# Altium PCB Spektrop2_PCB_Combined_CMV4000_V1.PcbDoc (part 2 of 6) (continued)
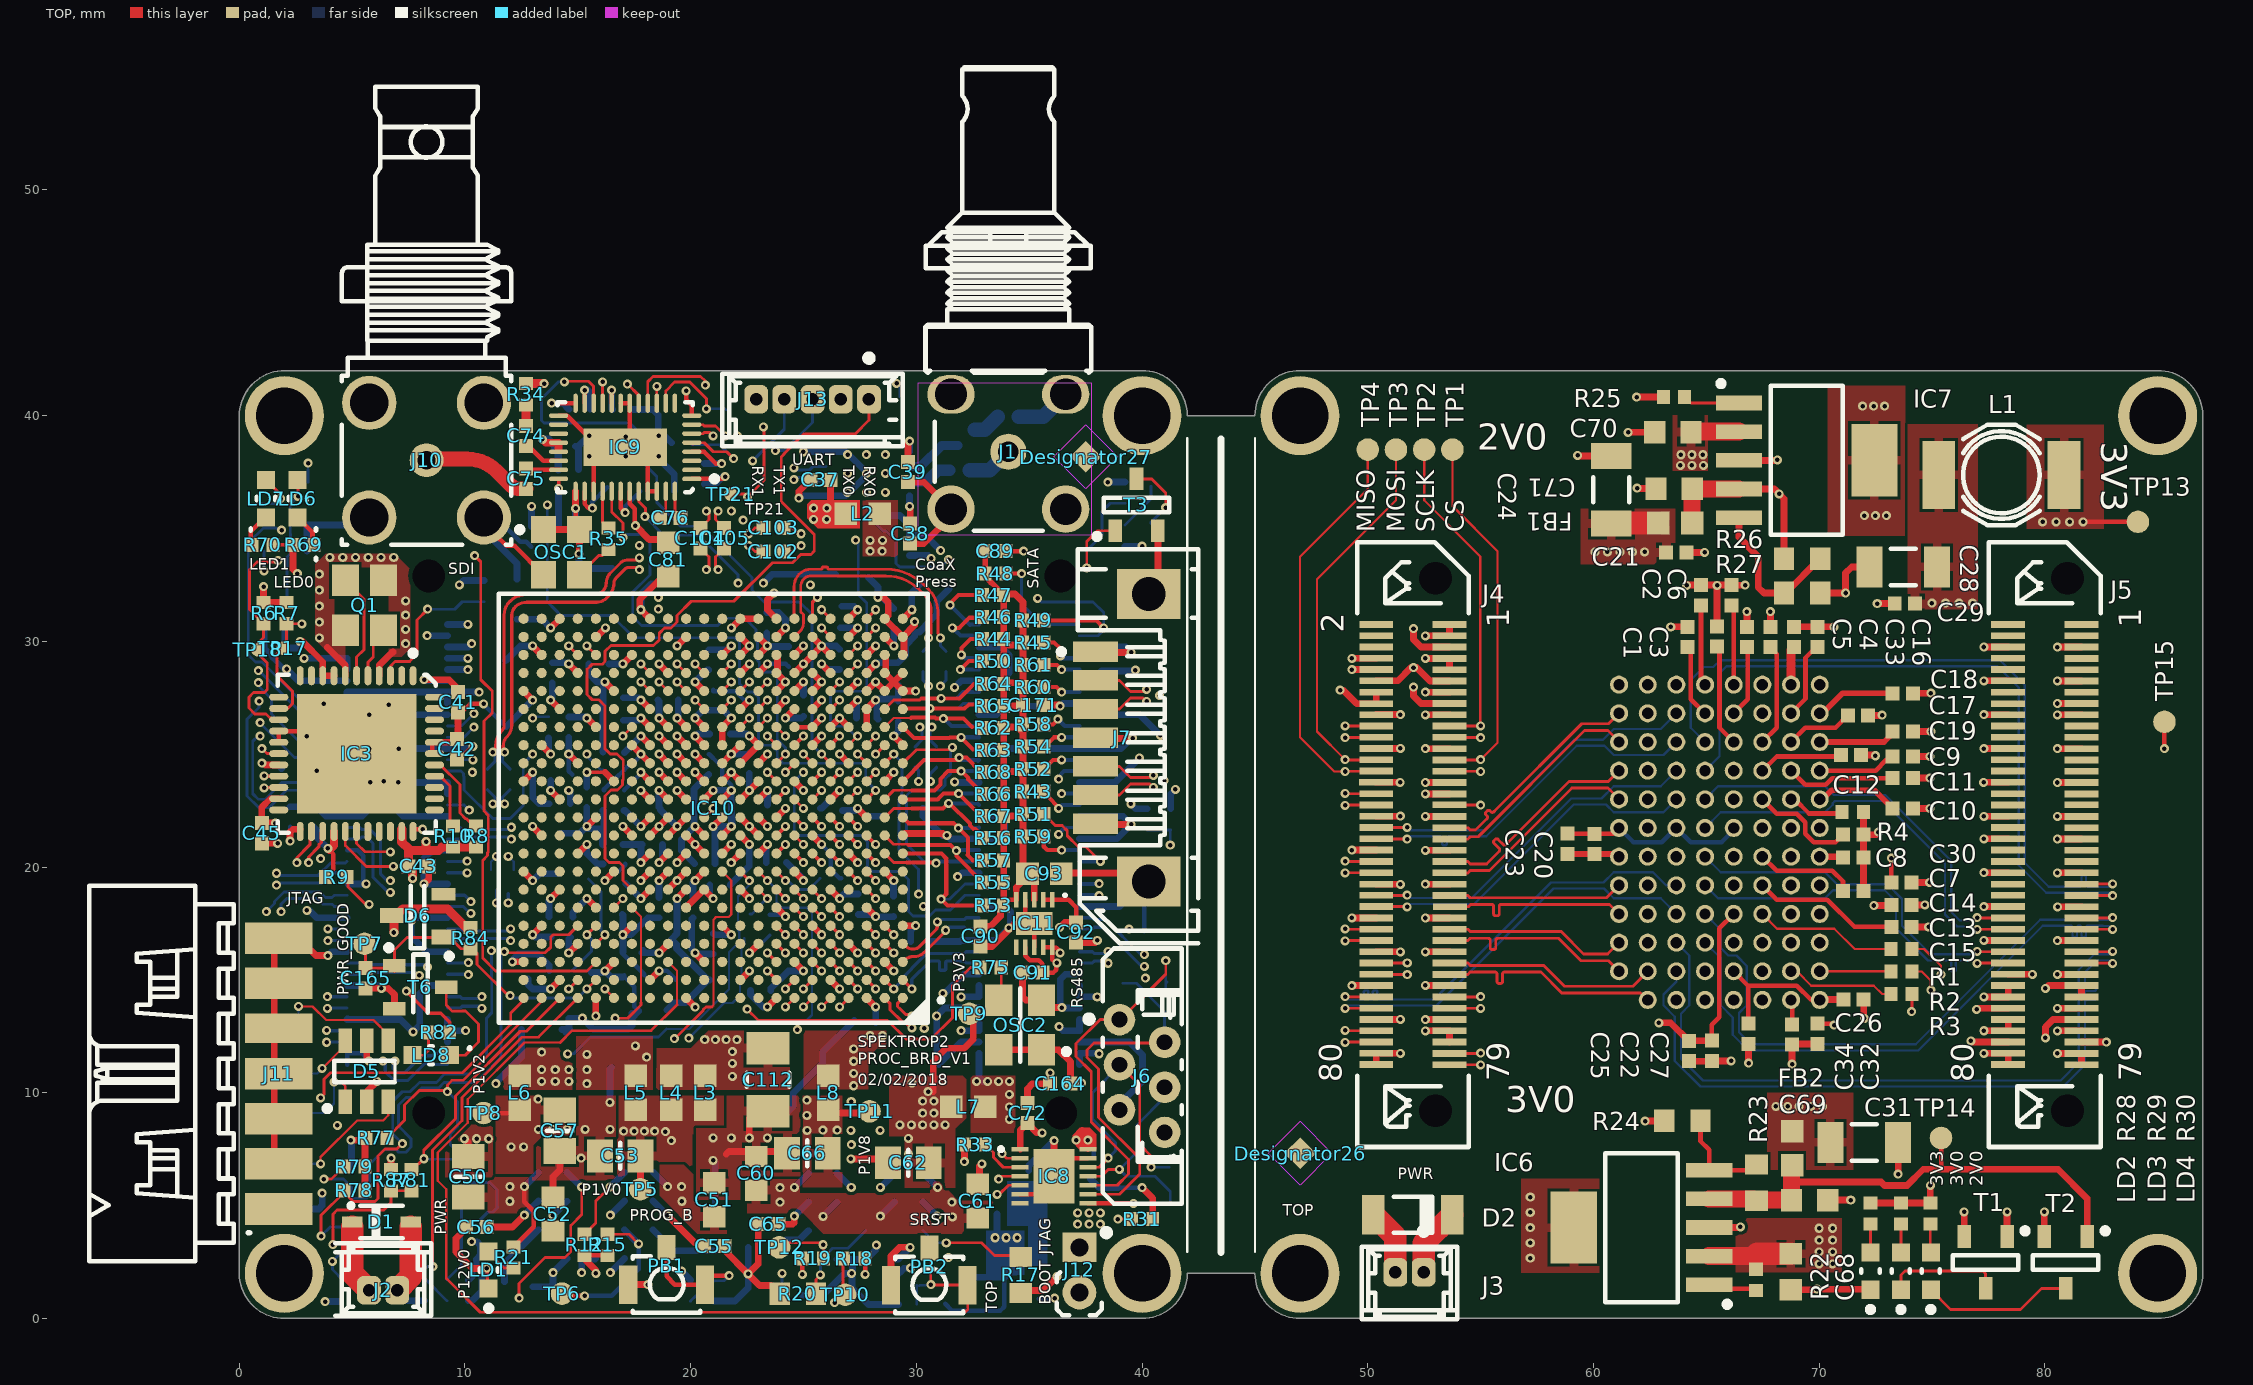
[diagram p0: TOP view]
## Part data (continued)
J6: library part MOLEX_52030-0629, "Connector 6 Female", Manufacturer=MOLEX, Manufacturer Part Number=52030-0629, Author="CERN DEM JLC", ComponentHeight=6.7mm, Component Type=Standard, CreateDate=05-Nov-14, Family=FFC/FPC, HelpURL=\\cern.ch\dfs\Applications\Altium\Datasheets\MOLEX_52030-0629.pdf, LatestRevisionDate=05-Dec-14, Mounted=Yes, Part Description="6 Contacts, 1.0mm Pitch, Vertical Through-Hole FFC/FPC Connector", Part Number=MOLEX_52030-0629, Pin Count=6, PressFit=No, Sense=No, SMD=No, Socket=No, Status=None
J7: library part 3M_5607-4200-SH, "7 Pin + 1 Shield SATA Receptacle", Manufacturer=3M, Manufacturer Part Number=5607-4200-SH, Author="CERN DEM JLC", ComponentHeight=4mm, Component Type=Standard, CreateDate=14-Feb-11, Family=SATA, HelpURL=\\cern.ch\dfs\Applications\Altium\Datasheets\3M_5607-4200-SH.pdf, LatestRevisionDate=31-May-11, Mounted=Yes, Part Description="Signal Plug, Surfacemount, Right Angle,  Serial Advanced Technology Attachment (SATA) Connector, 5607 Series", Part Number=3M_5607-4200-SH, Pin Count=8, PressFit=No, Sense=No, SMD=Yes, Socket=No, Status=None
J8 J9: library part SAMTEC_ERF5-040-05.0-L-DV-K, "Connector 80 Female", Manufacturer=SAMTEC, Manufacturer Part Number=ERF5-040-05.0-L-DV-K, Author="CERN DEM MR", ComponentHeight=4.91mm, Component Type=Standard, CreateDate=10-Mar-16, Family="Socket 80", HelpURL=\\cern.ch\dfs\Applications\Altium\Datasheets\SAMTEC_ERF5-040-05.0-L-DV-K.pdf, LatestRevisionDate=10-Mar-16, Mounted=Yes, Part Description="80 Contacts, Pitch 0.5mm, Edge Rate™ Rugged High Speed Straight Socket Strip", Part Number=SAMTEC_ERF5-040-05.0-L-DV-K, Pin Count=80, PressFit=No, Sense=No, SMD=Yes, Socket=No, Status=None
J10: library part AMPHENOL_34-1030-12G, Manufacturer=AMPHENOL-RF, Manufacturer Part Number=34-1030-12G, Author="CERN DEM JLC", ComponentHeight=8.5mm, Component Type=Standard, CreateDate=21-Feb-17, Family=HD-BNC, HelpURL=\\cern.ch\dfs\Applications\Altium\Datasheets\AMPHENOL_34-1030-12G.pdf, LatestRevisionDate=21-Feb-17, Mounted=Yes, Part Description="75 Ohms HD-BNC Right Angle PCB Receptacle (Jack)", Part Number=AMPHENOL_34-1030-12G, Pin Count=2, PressFit=No, Sense=No, SMD=No, Socket=No, Status=None
J11: library part MOLEX_87831-1420_h, "Connector 14 Male", Manufacturer=MOLEX, Manufacturer Part Number=87831-1420, Author="CERN DEM JLC", ComponentHeight=3.15mm, Component Type=Standard, CreateDate=13-Apr-10, Family=Milli-Grid™, HelpURL=\\cern.ch\dfs\Applications\Altium\Datasheets\MOLEX_87831-1420.pdf, LatestRevisionDate=13-Apr-10, Mounted=Yes, Part Description="2.00mm (.079\") Pitch Milli-Grid™ Header, Vertical, Shrouded, Center Polarization Slot, Locking Window, 14 Circuits (Customized PCB Edge assembly)", Part Number=MOLEX_87831-1420_h, Pin Count=14, PressFit=No, Sense=No, SMD=No, Socket=No, Status=None
J12: library part HARWIN_M22-2510205, "Connector 2 Male", Manufacturer=HARWIN, Manufacturer Part Number=M22-2510205, Author="CERN DEM JLC", ComponentHeight=5mm, Component Type=Standard, CreateDate=21-Jan-15, Family="Header 2", HelpURL=\\cern.ch\dfs\Applications\Altium\Datasheets\HARWIN_M22-2510205.pdf, LatestRevisionDate=14-Apr-15, Mounted=Yes, Part Description="2 Contacts - Pitch 2mm - Single Row Through Mount Straight Header (Post Lead = 3.5mm, Tail Lead 2.3mm, Insulator 1.5mm)", Part Number=HARWIN_M22-2510205, Pin Count=2, PressFit=No, Sense=No, SMD=No, Socket=No, Status=None
J13: library part MOLEX_53047-0510, "Connector 5 Male", Manufacturer=MOLEX, Manufacturer Part Number=53047-0510, Author="CERN DEM JLC", ComponentHeight=4.2mm, Component Type=Standard, CreateDate=12-Mar-13, Family=PicoBlade, HelpURL=\\cern.ch\dfs\Applications\Altium\Datasheets\MOLEX_53047-0510.pdf, LatestRevisionDate=12-Mar-13, Mounted=Yes, Part Description="1.25mm Pitch PicoBlade™ Wire-to-Board 5 Circuits Vertical Header with Friction Lock", Part Number=MOLEX_53047-0510, Pin Count=5, PressFit=No, Sense=No, SMD=No, Socket=No, Status=None
L1: library part IND_2.2UH_20%_BOURNS_SDR6603, "Inductor", Manufacturer=BOURNS, Manufacturer Part Number=SDR6603-2R2M, Power=2.4A, Resistance=0.007R, Tolerance=±20%, Author="CERN DEM JMW", ComponentHeight=2.92mm, Component Type=Standard, CreateDate=09-Jul-15, HelpURL=\\cern.ch\dfs\Applications\Altium\Datasheets\IND_BOURNS_SDR6603.pdf, LatestRevisionDate=09-Jul-15, Mounted=Yes, Part Description="SMD Power Inductor", Part Number=IND_2.2UH_20%_BOURNS_SDR6603, Pin Count=2, Sense=No, SMD=Yes, Socket=No, Status=None
LD1 LD2 LD3 LD4 LD5 LD6 LD7 LD8: library part LED_KINGBRIGHT_KPH-1608CGCK, "LED Green 1C 2A", Manufacturer=KINGBRIGHT, Manufacturer Part Number=KPH-1608CGCK, Author="CERN DEM JLC", Bonding=No, Color=Green, ComponentHeight=0.65mm, Component Type=Standard, CreateDate=03-Jul-17, HelpURL=\\cern.ch\dfs\Applications\Altium\Datasheets\LED_KINGBRIGHT_KPH-1608CGCK.pdf, LatestRevisionDate=03-Jul-17, Mounted=Yes, PackageDescription="SMT Green LED, Case 0603, Body L 1.6 x W 0.8mm H 0.65mm", Part Description="SMD Green LED, Case 1.6mmX0.8mm(0603), 0.65mm Thickness", Part Number=LED_KINGBRIGHT_KPH-1608CGCK, Pin Count=2, PressFit=No, Sense=No, SMD=Yes, Socket=No
OSC1: library part OSC_27MHZ_EPSON_SG-210SEB, "Oscillator 4 pins 1=\ST 2=GND 3=OUT 4=VCC", Manufacturer="EPSON TOYOCOM", Manufacturer Part Number="SG-210SEB C 27MHZ", Author="CERN DEM JLC", Bonding=No, ComponentHeight=0.9mm, ComponentLink1Description="Ordering Informations", ComponentLink1URL=\\cern.ch\dfs\Applications\Altium\Datasheets\OSC_EPSON_SG-210_Ordering-Informations.pdf, Component Type=Standard, CreateDate=05-Oct-09, HelpURL=\\cern.ch\dfs\Applications\Altium\Datasheets\OSC_EPSON_SG-210.pdf, LatestRevisionDate=05-Oct-09, Mounted=Yes, PackageDescription="Oscillator, corner concave; 4 pin, 2.50mm L X 2.00mm W X 0.90mm H, IPC Medium Density", Part Description="1.8V Surface Mount Crystal Oscillator With Standby Function (SG-210 Series)", Part Number=OSC_27MHZ_EPSON_SG-210SEB, Pin Count=4, PressFit=No, Sense=No, SMD=Yes, Socket=No
OSC2: library part OSC_33.33333MHZ_SI-TIME_SiT1602AC-23-18E, "Oscillator 4 pins 1=OE 2=GND 3=OUT 4=VDD", Manufacturer="SI TIME", Manufacturer Part Number=SiT1602AC-23-18E-33.33333, Author="CERN DEM JLC", Bonding=No, ComponentHeight=0.8mm, Component Type=Standard, CreateDate=08-Jul-14, HelpURL=\\cern.ch\dfs\Applications\Altium\Datasheets\OSC_SI-TIME_SiT1602.pdf, LatestRevisionDate=22-Oct-14, Mounted=Yes, PackageDescription="Si Time Oscillators, 4 Pin, Pitch 2.1mm, 3.2mm x 2.5mm x0.75mm", Part Description="1.8V, ±50ppm, 15pF, -20..70°C, 3.2x2.5mm Surface Mount LVCMOS/HCMOS Low Power Frequency Oscillator (SiT1602 Series)", Part Number=OSC_33.33333MHZ_SI-TIME_SiT1602AC-23-18E, Pin Count=4, PressFit=No, Sense=No, SMD=Yes, Socket=No
PB1 PB2: library part PB_OMRON_B3U-1100P, "Push-Button Switch SPDT", Manufacturer=OMRON, Author="CERN DEM JLC", ComponentHeight=1.75mm, Component Type=Standard, CreateDate=3/16/2010, Family="Push Button", HelpURL=\\cern.ch\dfs\Applications\Altium\Datasheets\PB_OMRON_B3U-1100P.pdf, LatestRevisionDate=3/16/2010, Manufacturer Part Number=PB_OMRON_B3U-1100P, Mounted=Yes, PackageDescription="Body 1.2x3x2.5mm Ultra-Small Tactile SPST Pushbutton Switch, (with Ground Terminal), OMRON B3U Series", Part Description="3x2.5mm Ultra-Small Tactile SPST Pushbutton Switch (with Ground Terminal),Contact Rating 50mA 12VDC, B3U Series", Part Number=PB_OMRON_B3U-1100P, Pin Count=3, PressFit=No, Sense=No, SMD=Yes, Socket=No, Status=None
Q1: library part XTAL_48MHZ_TXC_7M-48.000MAHV, "Crystal 4 pins 1=XTAL Control 2=GND3=XTAL 4=GND", Manufacturer="TXC CORPORATION", Manufacturer Part Number=7M-48.000MAHV, Author="CERN DEM MR", Bonding=No, ComponentHeight=0.8mm, Component Type=Standard, CreateDate=30-May-16, HelpURL=\\cern.ch\dfs\Applications\Altium\Datasheets\XTAL_TXC_7M.pdf, LatestRevisionDate=30-May-16, Mounted=Yes, PackageDescription="4 Pins, 2.5x3.2mm, SMD Sealing Crystal, 7M Serie", Part Description="±30ppm 8pF -40°C to +85°C  4 Pins, 3.2x2.5X0.8mm, SMD Sealing Crystal, 7M Series", Part Number=XTAL_48MHZ_TXC_7M-48.000MAHV, Pin Count=4, PressFit=No, Sense=No, SMD=Yes, Socket=No
R1 R2 R3 R35 R36 R75: library part R0402_22R_1%_0.0625W_100PPM, "Resistor - 1%", Case=0402, Manufacturer=GENERIC, Manufacturer1 ComponentHeight=0.4mm, Manufacturer1 Example="YAGEO PHYCOMP", Manufacturer1 Part Number=232270672209L, Power=0.0625W, Tolerance=±1%, Author="CERN DEM JLC", Component Type=Standard, HelpURL=\\cern.ch\dfs\Applications\Altium\Datasheets\R0402_Phycomp_RC0402.pdf, Manufacturer Part Number=R0402_22R_1%_0.0625W_100PPM, Mounted=Yes, Part Description="General Purpose Thick Film Chip Resistor", Part Number=R0402_22R_1%_0.0625W_100PPM, Pin Count=2, PressFit=No, Sense=No, SMD=Yes, Socket=No, Status="Not Recommended", TC=±100ppm/°C
  R1 R2 R3 R35: CreateDate=03-Dec-07, LatestRevisionDate=17-Oct-12
  R36 R75: CreateDate=12/3/2007, LatestRevisionDate=10/17/2012
R4 R38 R91: library part R0402_0R_JUMPER, "Resistor", Case=0402, Manufacturer=GENERIC, Manufacturer1 ComponentHeight=0.4mm, Manufacturer1 Example="YAGEO PHYCOMP", Manufacturer1 Part Number=232270591001L, Author="CERN DEM JLC", Component Type=Standard, CreateDate=03-Dec-07, HelpURL=\\cern.ch\dfs\Applications\Altium\Datasheets\R0402_Phycomp_RC0402.pdf, LatestRevisionDate=17-Oct-12, Manufacturer Part Number=R0402_0R_JUMPER, Mounted=Yes, Part Description="1A (0.05R Max DC Resistance) Zero Ohm Jumper", Part Number=R0402_0R_JUMPER, Pin Count=2, PressFit=No, Sense=No, SMD=Yes, Socket=No, Status="Not Recommended"
R5 R34: library part R0402_75R_1%_0.0625W_100PPM, "Resistor - 1%", Case=0402, Manufacturer=GENERIC, Manufacturer1 ComponentHeight=0.4mm, Manufacturer1 Example="YAGEO PHYCOMP", Manufacturer1 Part Number=232270677509L, Power=0.0625W, Tolerance=±1%, Author="CERN DEM JLC", Component Type=Standard, HelpURL=\\cern.ch\dfs\Applications\Altium\Datasheets\R0402_Phycomp_RC0402.pdf, Manufacturer Part Number=R0402_75R_1%_0.0625W_100PPM, Mounted=Yes, Part Description="General Purpose Thick Film Chip Resistor", Part Number=R0402_75R_1%_0.0625W_100PPM, Pin Count=2, PressFit=No, Sense=No, SMD=Yes, Socket=No, Status="Not Recommended", TC=±100ppm/°C
  R5: CreateDate=12/3/2007, LatestRevisionDate=10/17/2012
  R34: CreateDate=03-Dec-07, LatestRevisionDate=17-Oct-12
R6 R7 R8 R9 R10 R11 R31 R33 R37 R40 R76: library part R0402_4K7_1%_0.0625W_100PPM, "Resistor - 1%", Case=0402, Manufacturer=GENERIC, Manufacturer1 ComponentHeight=0.4mm, Manufacturer1 Example="YAGEO PHYCOMP", Manufacturer1 Part Number=232270674702L, Power=0.0625W, Tolerance=±1%, Author="CERN DEM JLC", Component Type=Standard, HelpURL=\\cern.ch\dfs\Applications\Altium\Datasheets\R0402_Phycomp_RC0402.pdf, Manufacturer Part Number=R0402_4K7_1%_0.0625W_100PPM, Mounted=Yes, Part Description="General Purpose Thick Film Chip Resistor", Part Number=R0402_4K7_1%_0.0625W_100PPM, Pin Count=2, PressFit=No, Sense=No, SMD=Yes, Socket=No, Status="Not Recommended", TC=±100ppm/°C
  R6 R7 R8 R9 R10 R11 R37 R40 R76: CreateDate=12/3/2007, LatestRevisionDate=10/17/2012
  R31 R33: CreateDate=03-Dec-07, LatestRevisionDate=17-Oct-12
R12 R15 R18 R19 R22 R25 R83: library part R0402_10K_1%_0.0625W_100PPM, "Resistor - 1%", Case=0402, Manufacturer=GENERIC, Manufacturer1 ComponentHeight=0.4mm, Manufacturer1 Example="YAGEO PHYCOMP", Manufacturer1 Part Number=232270671003L, Power=0.0625W, Tolerance=±1%, Author="CERN DEM JLC", Component Type=Standard, HelpURL=\\cern.ch\dfs\Applications\Altium\Datasheets\R0402_Phycomp_RC0402.pdf, Manufacturer Part Number=R0402_10K_1%_0.0625W_100PPM, Mounted=Yes, Part Description="General Purpose Thick Film Chip Resistor", Part Number=R0402_10K_1%_0.0625W_100PPM, Pin Count=2, PressFit=No, Sense=No, SMD=Yes, Socket=No, Status="Not Recommended", TC=±100ppm/°C
  R12 R15 R18 R19 R22 R25: CreateDate=03-Dec-07, LatestRevisionDate=17-Oct-12
  R83: CreateDate=12/3/2007, LatestRevisionDate=10/17/2012
R13: library part R0603_60K4_0.1%_0.063W_10PPM, "Resistor - 0.1%", Case=0603, Manufacturer=GENERIC, Manufacturer1 ComponentHeight=0.5mm, Manufacturer1 Example="TYCO HOLSWORTHY", Manufacturer1 Part Number=RN73C1J60K4BTDF, Power=0.063W, Tolerance=±0.1%, Author="CERN DEM JLC", Component Type=Standard, CreateDate=03-Dec-07, HelpURL=\\cern.ch\dfs\Applications\Altium\Datasheets\R0603_Tyco_RN73.pdf, LatestRevisionDate=13-Mar-08, Manufacturer Part Number=R0603_60K4_0.1%_0.063W_10PPM, Mounted=Yes, Part Description="Thin Film Chip Resistor", Part Number=R0603_60K4_0.1%_0.063W_10PPM, Pin Count=2, PressFit=No, Sense=No, SMD=Yes, Socket=No, Status="Not Recommended", TC=±10ppm
R14: library part R0603_90K9_0.1%_0.063W_10PPM, "Resistor - 0.1%", Case=0603, Manufacturer=GENERIC, Manufacturer1 ComponentHeight=0.5mm, Manufacturer1 Example="TYCO HOLSWORTHY", Manufacturer1 Part Number=RN73C1J90K9BTDF, Power=0.063W, Tolerance=±0.1%, Author="CERN DEM JLC", Component Type=Standard, CreateDate=03-Dec-07, HelpURL=\\cern.ch\dfs\Applications\Altium\Datasheets\R0603_Tyco_RN73.pdf, LatestRevisionDate=13-Mar-08, Manufacturer Part Number=R0603_90K9_0.1%_0.063W_10PPM, Mounted=Yes, Part Description="Thin Film Chip Resistor", Part Number=R0603_90K9_0.1%_0.063W_10PPM, Pin Count=2, PressFit=No, Sense=No, SMD=Yes, Socket=No, Status="Not Recommended", TC=±10ppm
R16: library part R0603_30K1_0.1%_0.063W_10PPM, "Resistor - 0.1%", Case=0603, Manufacturer=GENERIC, Manufacturer1 ComponentHeight=0.5mm, Manufacturer1 Example="TYCO HOLSWORTHY", Manufacturer1 Part Number=RN73C1J30K1BTDF, Power=0.063W, Tolerance=±0.1%, Author="CERN DEM JLC", Component Type=Standard, CreateDate=03-Dec-07, HelpURL=\\cern.ch\dfs\Applications\Altium\Datasheets\R0603_Tyco_RN73.pdf, LatestRevisionDate=13-Mar-08, Manufacturer Part Number=R0603_30K1_0.1%_0.063W_10PPM, Mounted=Yes, Part Description="Thin Film Chip Resistor", Part Number=R0603_30K1_0.1%_0.063W_10PPM, Pin Count=2, PressFit=No, Sense=No, SMD=Yes, Socket=No, Status="Not Recommended", TC=±10ppm
R17: library part R0603_13K3_0.1%_0.063W_10PPM, "Resistor - 0.1%", Case=0603, Manufacturer=GENERIC, Manufacturer1 ComponentHeight=0.5mm, Manufacturer1 Example="TYCO HOLSWORTHY", Manufacturer1 Part Number=RN73C1J13K3BTDF, Power=0.063W, Tolerance=±0.1%, Author="CERN DEM JLC", Component Type=Standard, CreateDate=03-Dec-07, HelpURL=\\cern.ch\dfs\Applications\Altium\Datasheets\R0603_Tyco_RN73.pdf, LatestRevisionDate=13-Mar-08, Manufacturer Part Number=R0603_13K3_0.1%_0.063W_10PPM, Mounted=Yes, Part Description="Thin Film Chip Resistor", Part Number=R0603_13K3_0.1%_0.063W_10PPM, Pin Count=2, PressFit=No, Sense=No, SMD=Yes, Socket=No, Status="Not Recommended", TC=±10ppm
R20: library part R0603_324K_1%_0.1W_100PPM, "Resistor - 1%", Case=0603, Manufacturer=GENERIC, Manufacturer1 ComponentHeight=0.55mm, Manufacturer1 Example=VISHAY, Manufacturer1 Part Number=CRCW0603324KFKEA, Power=0.1W, Tolerance=±1%, Author="CERN DEM JLC", Component Type=Standard, CreateDate=29-Apr-10, HelpURL="\\cern.ch\dfs\Applications\Altium\Datasheets\R0603_VISHAY_CRCW e3.pdf", LatestRevisionDate=11-Dec-13, Manufacturer Part Number=R0603_324K_1%_0.1W_100PPM, Mounted=Yes, Part Description="General Purpose Thick Film Chip Resistor", Part Number=R0603_324K_1%_0.1W_100PPM, Pin Count=2, PressFit=No, Sense=No, SMD=Yes, Socket=No, Status=Preferred, TC=±100ppm/°C
R21 R29 R30: library part R0402_10k_1%_0.0625W_100PPM, "Resistor - 1%", Case=0402, Manufacturer=GENERIC, Manufacturer1 ComponentHeight=0.4mm, Manufacturer1 Example="YAGEO PHYCOMP", Manufacturer1 Part Number=232270671003L, Manufacturer Part Number=R0402_10K_1%_0.0625W_100PPM, Power=0.0625W, Tolerance=±1%, Author="CERN DEM JLC", Component Type=Standard, CreateDate=03.12.2007, HelpURL=\\cern.ch\dfs\Applications\Altium\Datasheets\R0402_Phycomp_RC0402.pdf, LatestRevisionDate=17.10.2012, Mounted=Yes, Part Description="General Purpose Thick Film Chip Resistor", Part Number=R0402_10K_1%_0.0625W_100PPM, Pin Count=2, PressFit=No, Sense=No, SMD=Yes, Socket=No, Status="Not Recommended", TC=±100ppm/°C
R23: library part R0603_4K3_1%_0.1W_100PPM, "Resistor - 1%", Case=0603, Manufacturer=GENERIC, Manufacturer1 ComponentHeight=0.55mm, Manufacturer1 Example="NIC COMPONENT", Manufacturer1 Part Number=NRC06F4301TRF, Power=0.1W, Tolerance=±1%, Author="CERN DEM JLC", Component Type=Standard, CreateDate=03-Dec-07, HelpURL=\\cern.ch\dfs\Applications\Altium\Datasheets\R0603_NIC_NRC.pdf, LatestRevisionDate=13-Mar-08, Manufacturer Part Number=R0603_4K3_1%_0.1W_100PPM, Mounted=Yes, Part Description="General Purpose Thick Film Chip Resistor", Part Number=R0603_4K3_1%_0.1W_100PPM, Pin Count=2, PressFit=No, Sense=No, SMD=Yes, Socket=No, Status=Preferred, TC=±100ppm/°C
R24: library part R0603_680R_1%_0.1W_100PPM, "Resistor - 1%", Case=0603, Manufacturer=GENERIC, Manufacturer1 ComponentHeight=0.55mm, Manufacturer1 Example="NIC COMPONENT", Manufacturer1 Part Number=NRC06F6800TRF, Power=0.1W, Tolerance=±1%, Author="CERN DEM JLC", Component Type=Standard, CreateDate=03-Dec-07, HelpURL=\\cern.ch\dfs\Applications\Altium\Datasheets\R0603_NIC_NRC.pdf, LatestRevisionDate=13-Mar-08, Manufacturer Part Number=R0603_680R_1%_0.1W_100PPM, Mounted=Yes, Part Description="General Purpose Thick Film Chip Resistor", Part Number=R0603_680R_1%_0.1W_100PPM, Pin Count=2, PressFit=No, Sense=No, SMD=Yes, Socket=No, Status=Preferred, TC=±100ppm/°C
R26: library part R0603_6K2_1%_0.1W_100PPM, "Resistor - 1%", Case=0603, Manufacturer=GENERIC, Manufacturer1 ComponentHeight=0.55mm, Manufacturer1 Example="NIC COMPONENT", Manufacturer1 Part Number=NRC06F6201TRF, Power=0.1W, Tolerance=±1%, Author="CERN DEM JLC", Component Type=Standard, CreateDate=03-Dec-07, HelpURL=\\cern.ch\dfs\Applications\Altium\Datasheets\R0603_NIC_NRC.pdf, LatestRevisionDate=13-Mar-08, Manufacturer Part Number=R0603_6K2_1%_0.1W_100PPM, Mounted=Yes, Part Description="General Purpose Thick Film Chip Resistor", Part Number=R0603_6K2_1%_0.1W_100PPM, Pin Count=2, PressFit=No, Sense=No, SMD=Yes, Socket=No, Status=Preferred, TC=±100ppm/°C
R27: library part R0603_1K6_1%_0.1W_100PPM, "Resistor - 1%", Case=0603, Manufacturer=GENERIC, Manufacturer1 ComponentHeight=0.55mm, Manufacturer1 Example="NIC COMPONENT", Manufacturer1 Part Number=NRC06F1601TRF, Power=0.1W, Tolerance=±1%, Author="CERN DEM JLC", Component Type=Standard, CreateDate=03-Dec-07, HelpURL=\\cern.ch\dfs\Applications\Altium\Datasheets\R0603_NIC_NRC.pdf, LatestRevisionDate=13-Mar-08, Manufacturer Part Number=R0603_1K6_1%_0.1W_100PPM, Mounted=Yes, Part Description="General Purpose Thick Film Chip Resistor", Part Number=R0603_1K6_1%_0.1W_100PPM, Pin Count=2, PressFit=No, Sense=No, SMD=Yes, Socket=No, Status=Preferred, TC=±100ppm/°C
R28 R39 R69 R70 R82: library part R0402_1k_1%_0.0625W_100PPM, "Resistor - 1%", Case=0402, Manufacturer=GENERIC, Manufacturer1 ComponentHeight=0.4mm, Manufacturer1 Example="YAGEO PHYCOMP", Manufacturer1 Part Number=232270671002L, Manufacturer Part Number=R0402_1K_1%_0.0625W_100PPM, Power=0.0625W, Tolerance=±1%, Author="CERN DEM JLC", Component Type=Standard, CreateDate=03.12.2007, HelpURL=\\cern.ch\dfs\Applications\Altium\Datasheets\R0402_Phycomp_RC0402.pdf, LatestRevisionDate=17.10.2012, Mounted=Yes, Part Description="General Purpose Thick Film Chip Resistor", Part Number=R0402_1K_1%_0.0625W_100PPM, Pin Count=2, PressFit=No, Sense=No, SMD=Yes, Socket=No, Status="Not Recommended", TC=±100ppm/°C
  R39: ClassName=Artix
R32 R42 R71 R74: library part R0402_100R_1%_0.0625W_100PPM, "Resistor - 1%", Case=0402, Manufacturer=GENERIC, Manufacturer1 ComponentHeight=0.4mm, Manufacturer1 Example="YAGEO PHYCOMP", Manufacturer1 Part Number=232270671001L, Power=0.0625W, Tolerance=±1%, Author="CERN DEM JLC", Component Type=Standard, CreateDate=03-Dec-07, HelpURL=\\cern.ch\dfs\Applications\Altium\Datasheets\R0402_Phycomp_RC0402.pdf, LatestRevisionDate=17-Oct-12, Manufacturer Part Number=R0402_100R_1%_0.0625W_100PPM, Mounted=Yes, Part Description="General Purpose Thick Film Chip Resistor", Part Number=R0402_100R_1%_0.0625W_100PPM, Pin Count=2, PressFit=No, Sense=No, SMD=Yes, Socket=No, Status="Not Recommended", TC=±100ppm/°C
R41: library part R0402_330R_1%_0.0625W_100PPM, "Resistor - 1%", Case=0402, Manufacturer=GENERIC, Manufacturer1 ComponentHeight=0.4mm, Manufacturer1 Example="YAGEO PHYCOMP", Manufacturer1 Part Number=232270673301L, Power=0.0625W, Tolerance=±1%, Author="CERN DEM JLC", Component Type=Standard, CreateDate=03-Dec-07, HelpURL=\\cern.ch\dfs\Applications\Altium\Datasheets\R0402_Phycomp_RC0402.pdf, LatestRevisionDate=17-Oct-12, Manufacturer Part Number=R0402_330R_1%_0.0625W_100PPM, Mounted=Yes, Part Description="General Purpose Thick Film Chip Resistor", Part Number=R0402_330R_1%_0.0625W_100PPM, Pin Count=2, PressFit=No, Sense=No, SMD=Yes, Socket=No, Status="Not Recommended", TC=±100ppm/°C
R43 R44 R45 R46 R47 R48 R49 R50 R51 R52 R53 R54 R55 R56 R57 R58 R59 R60 R61 R62 R63 R64 R65 R66 R67 R68: library part R0402_49R9_1%_0.0625W_100PPM, "Resistor - 1%", Case=0402, Manufacturer=GENERIC, Manufacturer1 ComponentHeight=0.4mm, Manufacturer1 Example="YAGEO PHYCOMP", Manufacturer1 Part Number="232270674999L or RC0402FR-0749R9L", Power=0.0625W, Tolerance=±1%, Author="CERN DEM JLC", Component Type=Standard, CreateDate=24-Oct-12, HelpURL=\\cern.ch\dfs\Applications\Altium\Datasheets\R0402_Phycomp_RC0402.pdf, LatestRevisionDate=24-Oct-12, Manufacturer Part Number=R0402_49R9_1%_0.0625W_100PPM, Mounted=Yes, Part Description="General Purpose Thick Film Chip Resistor", Part Number=R0402_49R9_1%_0.0625W_100PPM, Pin Count=2, PressFit=No, Sense=No, SMD=Yes, Socket=No, Status="Not Recommended", TC=±100ppm/°C
R72 R88 R89: library part R0402_NO-VALUE, "Resistor", Case=0402, Author="CERN DEM JLC", Component Type=Standard, CreateDate=03-Dec-07, HelpURL=Undefined, LatestRevisionDate=13-Mar-08, Manufacturer=Undefined, Manufacturer1 ComponentHeight=Undefined, Manufacturer1 Example=Undefined, Manufacturer1 Part Number=Undefined, Manufacturer Part Number=R0402_NO-VALUE, Mounted=No, Part Description="Reserved Footprint For a 0402 (1005) Chip Resistor", Part Number=R0402_NO-VALUE, Pin Count=2, PressFit=No, Sense=No, SMD=Yes, Socket=No, Status=None
R73 R87: library part R0402_1K_1%_0.0625W_100PPM, "Resistor - 1%", Case=0402, Manufacturer=GENERIC, Manufacturer1 ComponentHeight=0.4mm, Manufacturer1 Example="YAGEO PHYCOMP", Manufacturer1 Part Number=232270671002L, Power=0.0625W, Tolerance=±1%, Author="CERN DEM JLC", Component Type=Standard, CreateDate=03-Dec-07, HelpURL=\\cern.ch\dfs\Applications\Altium\Datasheets\R0402_Phycomp_RC0402.pdf, LatestRevisionDate=17-Oct-12, Manufacturer Part Number=R0402_1K_1%_0.0625W_100PPM, Mounted=Yes, Part Description="General Purpose Thick Film Chip Resistor", Part Number=R0402_1K_1%_0.0625W_100PPM, Pin Count=2, PressFit=No, Sense=No, SMD=Yes, Socket=No, Status="Not Recommended", TC=±100ppm/°C
R77 R78 R79 R80 R81 R84 R85 R86: library part R0402_20K_1%_0.0625W_100PPM, "Resistor - 1%", Case=0402, Manufacturer=GENERIC, Manufacturer1 ComponentHeight=0.4mm, Manufacturer1 Example="YAGEO PHYCOMP", Manufacturer1 Part Number=232270672003L, Power=0.0625W, Tolerance=±1%, Author="CERN DEM JLC", Component Type=Standard, HelpURL=\\cern.ch\dfs\Applications\Altium\Datasheets\R0402_Phycomp_RC0402.pdf, Manufacturer Part Number=R0402_20K_1%_0.0625W_100PPM, Mounted=Yes, Part Description="General Purpose Thick Film Chip Resistor", Part Number=R0402_20K_1%_0.0625W_100PPM, Pin Count=2, PressFit=No, Sense=No, SMD=Yes, Socket=No, Status="Not Recommended", TC=±100ppm/°C
  R77 R78 R79 R80 R81 R85 R86: CreateDate=12/3/2007, LatestRevisionDate=10/17/2012
  R84: CreateDate=03-Dec-07, LatestRevisionDate=17-Oct-12
R90: library part R0402_22r_1%_0.0625W_100PPM, "Resistor - 1%", Case=0402, Manufacturer=GENERIC, Manufacturer1 ComponentHeight=0.4mm, Manufacturer1 Example="YAGEO PHYCOMP", Manufacturer1 Part Number=232270672209L, Manufacturer Part Number=R0402_22R_1%_0.0625W_100PPM, Power=0.0625W, Tolerance=±1%, Author="CERN DEM JLC", Component Type=Standard, CreateDate=03-Dec-07, HelpURL=\\cern.ch\dfs\Applications\Altium\Datasheets\R0402_Phycomp_RC0402.pdf, LatestRevisionDate=17-Oct-12, Mounted=Yes, Part Description="General Purpose Thick Film Chip Resistor", Part Number=R0402_22R_1%_0.0625W_100PPM, Pin Count=2, PressFit=No, Sense=No, SMD=Yes, Socket=No, Status="Not Recommended", TC=±100ppm/°C
T1 T2 T3 T4 T5 T6: "N-CHANNEL MOSFET WITH DIODE", Case=SOT23-3, Manufacturer=NEXPERIA, Author="CERN DEM JLC", Bonding=No, ComponentHeight=1.1mm, Component Type=Standard, CreateDate=16.03.2010, Device=BSH103, HelpURL=\\cern.ch\dfs\Applications\Altium\Datasheets\BSH103.pdf, LatestRevisionDate=20.06.2017, Manufacturer Part Number=BSH103, Mounted=Yes, PackageDescription="SOT23, 3 pin, Pitch 0.95mm - 1.3mm W X 2.9mm L X 1.1mm H, IPC Medium Density", Part Description="30V 850mA N-Channel Enhancement Mode Field-Effect Transistor", Part Number=BSH103, Pin Count=3, PressFit=No, Sense=No, SMD=Yes, Socket=No
  T3: ClassName=Artix
TP1 TP2 TP3 TP4 TP5 TP6 TP7 TP8 TP9 TP10 TP11 TP12 TP13 TP14 TP15 TP16 TP17 TP18 TP19 TP20 TP21 TP22: library part SMD_PAD_D1MM, "Through Hole Pad", Author="CERN DEM JLC", ComponentHeight=0mm, Component Type="Standard (No BOM)", CreateDate=10-Oct-17, Family="SMD Pad", HelpURL=Undefined, LatestRevisionDate=10-Oct-17, Mounted=No, PackageDescription="1mm Diameter SMD Pad", Part Description="1mm Diameter SMD Pad", Part Number=SMD_PAD_D1MM, Pin Count=1, Sense=No, SMD=No, Socket=No, Status=None

## Free pads (board coordinates)
  round 3.5 hole 2.5: 1(2,2) 1(2,40) 1(40,2) 1(40,40) 1(47,1.996) 1(47,39.996) 1(85,1.996) 1(85,39.996)
  rect 0.5x0.5 smd far side rot 45 paste-100 mask-100: 1(47.6,4.6) 1(47.6,6.6) 1(47.6,8.6) 1(47.6,10.6) 1(47.6,12.6) 1(47.6,14.6) 1(47.6,16.6) 1(47.6,18.6) 1(47.6,20.6) 1(47.6,22.6) 1(47.6,24.6) 1(47.6,26.6) 1(47.6,28.6) 1(47.6,30.6) 1(47.6,32.6) 1(47.6,34.6) 1(49.6,2.6) 1(49.6,4.6) 1(49.6,6.6) 1(49.6,8.6) 1(49.6,10.6) 1(49.6,18.6) 1(49.6,26.6) 1(49.6,30.6) 1(49.6,32.6) 1(49.6,34.6) 1(49.6,36.6) 1(49.6,38.6) 1(51.6,4.6) 1(51.6,6.6) 1(51.6,8.6) 1(51.6,10.6) 1(51.6,12.6) 1(51.6,24.6) 1(51.6,32.6) 1(51.6,34.6) 1(51.6,36.6) 1(51.6,38.6) 1(53.6,4.6) 1(53.6,6.6) 1(53.6,10.6) 1(53.6,12.6) 1(53.6,16.6) 1(53.6,22.6) 1(53.6,24.6) 1(53.6,26.6) 1(53.6,28.6) 1(53.6,30.6) 1(53.6,34.6) 1(53.6,36.6) 1(53.6,38.6) 1(55.6,2.6) 1(55.6,4.6) 1(55.6,6.6) 1(55.6,8.6) 1(55.6,10.6) 1(55.6,12.6) 1(55.6,26.6) 1(55.6,28.6) 1(55.6,30.6) 1(55.6,32.6) 1(55.6,34.6) 1(55.6,36.6) 1(55.6,38.6) 1(57.6,6.6) 1(57.6,8.6) 1(57.6,10.6) 1(57.6,12.6) 1(57.6,14.6) 1(57.6,16.6) 1(57.6,26.6) 1(57.6,28.6) 1(57.6,30.6) 1(57.6,32.6) 1(57.6,34.6) 1(57.6,36.6) 1(57.6,38.6) 1(59.6,2.6) 1(59.6,4.6) 1(59.6,6.6) 1(59.6,8.6) 1(59.6,10.6) 1(59.6,12.6) 1(59.6,14.6) 1(59.6,16.6) 1(59.6,20.6) 1(59.6,26.6) 1(59.6,28.6) 1(59.6,30.6) 1(59.6,32.6) 1(59.6,34.6) 1(59.6,36.6) 1(61.6,2.6) 1(61.6,4.6) 1(61.6,6.6) 1(61.6,8.6) 1(61.6,10.6) 1(61.6,12.6) 1(61.6,14.6) 1(61.6,30.6) 1(61.6,32.6) 1(63.6,2.6) 1(63.6,4.6) 1(63.6,6.6) 1(63.6,8.6) 1(63.6,34.6) 1(63.6,36.6) 1(65.6,2.6) 1(65.6,4.6) 1(65.6,6.6) 1(65.6,8.6) 1(65.6,30.6) 1(65.6,34.6) 1(65.6,36.6) 1(65.6,38.6) 1(67.6,2.6) 1(67.6,4.6) 1(67.6,6.6) 1(67.6,8.6) 1(67.6,30.6) 1(67.6,32.6) 1(67.6,34.6) 1(67.6,38.6) 1(69.6,4.6) 1(69.6,6.6) 1(69.6,8.6) 1(69.6,30.6) 1(69.6,32.6) 1(69.6,34.6) 1(69.6,36.6) 1(69.6,38.6) 1(71.6,2.6) 1(71.6,4.6) 1(71.6,6.6) 1(71.6,8.6) 1(71.6,14.6) 1(71.6,16.6) 1(71.6,20.6) 1(71.6,24.6) 1(71.6,26.6) 1(71.6,30.6) 1(71.6,34.6) 1(71.6,36.6) 1(71.6,38.6) 1(73.6,2.6) 1(73.6,4.6) 1(73.6,8.6) 1(73.6,14.6) 1(73.6,24.6) 1(73.6,26.6) 1(73.6,30.6) 1(73.6,32.6) 1(73.6,34.6) 1(73.6,36.6) 1(73.6,38.6) 1(75.6,2.6) 1(75.6,4.6) 1(75.6,6.6) 1(75.6,8.6) 1(75.6,22.6) 1(75.6,24.6) 1(75.6,26.6) 1(75.6,30.6) 1(75.6,32.6) 1(75.6,34.6) 1(75.6,36.6) 1(75.6,38.6) 1(77.6,2.6) 1(77.6,4.6) 1(77.6,6.6) 1(77.6,8.6) 1(77.6,20.6) 1(77.6,24.6) 1(77.6,30.6) 1(77.6,32.6) 1(77.6,34.6) 1(77.6,36.6) 1(77.6,38.6) 1(79.6,2.6) 1(79.6,6.6) 1(79.6,8.6) 1(79.6,30.6) 1(79.6,32.6) 1(79.6,34.6) 1(79.6,36.6) 1(79.6,38.6) 1(81.6,2.6) 1(81.6,4.6) 1(81.6,6.6) 1(81.6,20.6) 1(81.6,22.6) 1(81.6,24.6) 1(81.6,26.6) 1(81.6,28.6) 1(81.6,30.6) 1(81.6,34.6) 1(81.6,36.6) 1(81.6,38.6) 1(83.6,4.6) 1(83.6,6.6) 1(83.6,8.6) 1(83.6,10.6) 1(83.6,12.6) 1(83.6,14.6) 1(83.6,20.6) 1(83.6,22.6) 1(83.6,24.6) 1(83.6,26.6) 1(83.6,28.6) 1(83.6,30.6) 1(83.6,32.6) 1(83.6,34.6) 1(83.6,36.6)
  rect 0.5x0.5 on Mid3 rot 45 paste-100 mask-100: 1(47.6,4.6) 1(47.6,6.6) 1(47.6,8.6) 1(47.6,10.6) 1(47.6,12.6) 1(47.6,14.6) 1(47.6,16.6) 1(47.6,18.6) 1(47.6,20.6) 1(47.6,22.6) 1(47.6,24.6) 1(47.6,26.6) 1(47.6,28.6) 1(47.6,30.6) 1(47.6,32.6) 1(47.6,34.6) 1(47.6,36.6) 1(49.6,2.6) 1(49.6,4.6) 1(49.6,6.6) 1(49.6,8.6) 1(49.6,10.6) 1(49.6,18.6) 1(49.6,26.6) 1(49.6,30.6) 1(49.6,32.6) 1(49.6,34.6) 1(49.6,36.6) 1(49.6,38.6) 1(51.6,4.6) 1(51.6,6.6) 1(51.6,8.6) 1(51.6,10.6) 1(51.6,24.6) 1(51.6,32.6) 1(51.6,34.6) 1(51.6,36.6) 1(51.6,38.6) 1(53.6,4.6) 1(53.6,6.6) 1(53.6,12.6) 1(53.6,22.6) 1(53.6,24.6) 1(53.6,28.6) 1(53.6,30.6) 1(53.6,34.6) 1(53.6,36.6) 1(53.6,38.6) 1(55.6,2.6) 1(55.6,4.6) 1(55.6,6.6) 1(55.6,8.6) 1(55.6,26.6) 1(55.6,30.6) 1(55.6,32.6) 1(55.6,34.6) 1(55.6,36.6) 1(55.6,38.6) 1(57.6,6.6) 1(57.6,8.6) 1(57.6,12.6) 1(57.6,26.6) 1(57.6,30.6) 1(57.6,32.6) 1(57.6,34.6) 1(57.6,36.6) 1(57.6,38.6) 1(59.6,2.6) 1(59.6,4.6) 1(59.6,6.6) 1(59.6,8.6) 1(59.6,12.6) 1(59.6,14.6) 1(59.6,26.6) 1(59.6,30.6) 1(59.6,32.6) 1(59.6,34.6) 1(59.6,36.6) 1(61.6,2.6) 1(61.6,4.6) 1(61.6,6.6) 1(61.6,8.6) 1(61.6,12.6) 1(61.6,30.6) 1(61.6,32.6) 1(63.6,2.6) 1(63.6,4.6) 1(63.6,6.6) 1(63.6,8.6) 1(63.6,34.6) 1(63.6,36.6) 1(65.6,2.6) 1(65.6,4.6) 1(65.6,6.6) 1(65.6,8.6) 1(65.6,10.6) 1(65.6,30.6) 1(65.6,34.6) 1(65.6,36.6) 1(65.6,38.6) 1(67.6,2.6) 1(67.6,4.6) 1(67.6,6.6) 1(67.6,8.6) 1(67.6,10.6) 1(67.6,30.6) 1(67.6,32.6) 1(67.6,34.6) 1(67.6,38.6) 1(69.6,4.6) 1(69.6,6.6) 1(69.6,8.6) 1(69.6,30.6) 1(69.6,32.6) 1(69.6,34.6) 1(69.6,36.6) 1(69.6,38.6) 1(71.6,2.6) 1(71.6,4.6) 1(71.6,6.6) 1(71.6,8.6) 1(71.6,10.6) 1(71.6,12.6) 1(71.6,14.6) 1(71.6,16.6) 1(71.6,24.6) 1(71.6,26.6) 1(71.6,28.6) 1(71.6,30.6) 1(71.6,34.6) 1(71.6,36.6) 1(71.6,38.6) 1(73.6,2.6) 1(73.6,4.6) 1(73.6,8.6) 1(73.6,10.6) 1(73.6,12.6) 1(73.6,14.6) 1(73.6,24.6) 1(73.6,26.6) 1(73.6,28.6) 1(73.6,30.6) 1(73.6,32.6) 1(73.6,34.6) 1(73.6,36.6) 1(73.6,38.6) 1(75.6,2.6) 1(75.6,4.6) 1(75.6,6.6) 1(75.6,8.6) 1(75.6,10.6) 1(75.6,12.6) 1(75.6,16.6) 1(75.6,18.6) 1(75.6,20.6) 1(75.6,22.6) 1(75.6,24.6) 1(75.6,26.6) 1(75.6,28.6) 1(75.6,30.6) 1(75.6,32.6) 1(75.6,34.6) 1(75.6,36.6) 1(75.6,38.6) 1(77.6,2.6) 1(77.6,4.6) 1(77.6,6.6) 1(77.6,8.6) 1(77.6,20.6) 1(77.6,24.6) 1(77.6,30.6) 1(77.6,32.6) 1(77.6,34.6) 1(77.6,36.6) 1(77.6,38.6) 1(79.6,2.6) 1(79.6,6.6) 1(79.6,8.6) 1(79.6,10.6) 1(79.6,16.6) 1(79.6,18.6) 1(79.6,20.6) 1(79.6,22.6) 1(79.6,24.6) 1(79.6,26.6) 1(79.6,28.6) 1(79.6,30.6) 1(79.6,32.6) 1(79.6,34.6) 1(79.6,36.6) 1(79.6,38.6) 1(81.6,2.6) 1(81.6,4.6) 1(81.6,6.6) 1(81.6,10.6) 1(81.6,12.6) 1(81.6,14.6) 1(81.6,16.6) 1(81.6,18.6) 1(81.6,20.6) 1(81.6,22.6) 1(81.6,24.6) 1(81.6,26.6) 1(81.6,28.6) 1(81.6,30.6) 1(81.6,34.6) 1(81.6,36.6) 1(81.6,38.6) 1(83.6,4.6) 1(83.6,6.6) 1(83.6,8.6) 1(83.6,10.6) 1(83.6,12.6) 1(83.6,14.6) 1(83.6,20.6) 1(83.6,22.6) 1(83.6,24.6) 1(83.6,26.6) 1(83.6,28.6) 1(83.6,30.6) 1(83.6,32.6) 1(83.6,34.6) 1(83.6,36.6)
  rect 0.5x0.5 on Mid1 rot 45 paste-100 mask-100: 1(47.6,4.6) 1(47.6,6.6) 1(47.6,8.6) 1(47.6,10.6) 1(47.6,12.6) 1(47.6,14.6) 1(47.6,16.6) 1(47.6,18.6) 1(47.6,20.6) 1(47.6,22.6) 1(47.6,24.6) 1(47.6,26.6) 1(47.6,28.6) 1(47.6,30.6) 1(47.6,32.6) 1(47.6,34.6) 1(47.6,36.6) 1(49.6,2.6) 1(49.6,4.6) 1(49.6,6.6) 1(49.6,8.6) 1(49.6,10.6) 1(49.6,18.6) 1(49.6,30.6) 1(49.6,32.6) 1(49.6,34.6) 1(49.6,36.6) 1(49.6,38.6) 1(51.6,4.6) 1(51.6,6.6) 1(51.6,8.6) 1(51.6,10.6) 1(51.6,32.6) 1(51.6,34.6) 1(51.6,36.6) 1(51.6,38.6) 1(53.6,4.6) 1(53.6,6.6) 1(53.6,30.6) 1(53.6,34.6) 1(53.6,36.6) 1(53.6,38.6) 1(55.6,2.6) 1(55.6,4.6) 1(55.6,6.6) 1(55.6,16.6) 1(55.6,18.6) 1(55.6,20.6) 1(55.6,32.6) 1(55.6,34.6) 1(55.6,36.6) 1(55.6,38.6) 1(57.6,14.6) 1(57.6,16.6) 1(57.6,18.6) 1(57.6,20.6) 1(57.6,24.6) 1(57.6,34.6) 1(57.6,36.6) 1(57.6,38.6) 1(59.6,2.6) 1(59.6,4.6) 1(59.6,12.6) 1(59.6,16.6) 1(59.6,18.6) 1(59.6,20.6) 1(59.6,22.6) 1(59.6,24.6) 1(59.6,26.6) 1(59.6,34.6) 1(59.6,36.6) 1(61.6,2.6) 1(61.6,4.6) 1(61.6,14.6) 1(63.6,2.6) 1(63.6,4.6) 1(63.6,34.6) 1(63.6,36.6) 1(65.6,2.6) 1(65.6,4.6) 1(65.6,34.6) 1(65.6,36.6) 1(65.6,38.6) 1(67.6,2.6) 1(67.6,4.6) 1(67.6,32.6) 1(67.6,34.6) 1(67.6,38.6) 1(69.6,10.6) 1(69.6,12.6) 1(69.6,34.6) 1(69.6,38.6) 1(71.6,2.6) 1(71.6,14.6) 1(71.6,34.6) 1(71.6,38.6) 1(73.6,2.6) 1(73.6,4.6) 1(73.6,16.6) 1(73.6,30.6) 1(73.6,32.6) 1(73.6,34.6) 1(73.6,38.6) 1(75.6,2.6) 1(75.6,4.6) 1(75.6,6.6) 1(75.6,8.6) 1(75.6,10.6) 1(75.6,12.6) 1(75.6,16.6) 1(75.6,18.6) 1(75.6,20.6) 1(75.6,24.6) 1(75.6,26.6) 1(75.6,28.6) 1(75.6,30.6) 1(75.6,32.6) 1(75.6,36.6) 1(75.6,38.6) 1(77.6,2.6) 1(77.6,4.6) 1(77.6,6.6) 1(77.6,8.6) 1(77.6,10.6) 1(77.6,20.6) 1(77.6,24.6) 1(77.6,30.6) 1(77.6,34.6) 1(77.6,36.6) 1(77.6,38.6) 1(79.6,2.6) 1(79.6,8.6) 1(79.6,10.6) 1(79.6,16.6) 1(79.6,18.6) 1(79.6,20.6) 1(79.6,22.6) 1(79.6,24.6) 1(79.6,26.6) 1(79.6,28.6) 1(79.6,32.6) 1(79.6,34.6) 1(79.6,36.6) 1(79.6,38.6) 1(81.6,2.6) 1(81.6,4.6) 1(81.6,10.6) 1(81.6,12.6) 1(81.6,14.6) 1(81.6,16.6) 1(81.6,18.6) 1(81.6,20.6) 1(81.6,22.6) 1(81.6,24.6) 1(81.6,26.6) 1(81.6,28.6) 1(81.6,34.6) 1(81.6,36.6) 1(81.6,38.6) 1(83.6,4.6) 1(83.6,8.6) 1(83.6,10.6) 1(83.6,12.6) 1(83.6,14.6) 1(83.6,20.6) 1(83.6,22.6) 1(83.6,24.6) 1(83.6,26.6) 1(83.6,30.6) 1(83.6,32.6) 1(83.6,34.6) 1(83.6,36.6)
  rect 0.5x0.5 on Mid3 rot 135 paste-100 mask-100: 1(69.6,10.6) 1(73.6,16.6) 1(77.6,10.6)

## Via types
v1: diameter 0.4, hole 0.2, TOP to BTM, tented both sides, 949 vias
v2: diameter 0.4/0.4/0.4/0.4/0.6 (per signal layer), hole 0.2, TOP to BTM, tented top, 2 vias

## Nets (pads, with @x,y where several pads share a name; then routed paths per layer and width w, separated by ;. In a path a pad name is that pad's centre, name@x,y a point inside that pad or via, vN(x,y) a via of type N, cw(c..) or ccw(c..) an arc to the next point about the centre after c; other vN are vias at no path point)
BANK34_VRN: IC10.H8 R42.1 | length 2.5
  TOP w0.125: IC10.H8@23.798,19.799 v1(24.198,19.399)
  BTM w0.125: v1(24.198,19.399) 24.301,19.399 24.7,19 25.23,19 R42.1@25.73,19.5
BANK34_VRP: IC10.R8 R71.2 | length 11.3
  TOP w0.125: v1(23.399,25.8) IC10.R8@23.799,25.4
  L5 w0.125: v1(14.598,23.399) 14.999,23.8 22,23.8 23.037,24.837 23.037,25.437 v1(23.399,25.8)
  BTM w0.3: v1(14.598,23.399) 14.67,23.327 R71.2@14.67,22.8
CFGBVS: IC10.T9 R38.2 | length 10.6
  TOP w0.125: IC10.T9@22.999,26.2 v1(23.399,26.6)
  L5 w0.1: v1(15.399,25) 15.799,24.6 20.6,24.6 22.2,26.2 23,26.2 v1(23.399,26.6)
  BTM w0.125: v1(15.399,25) 15.399,24.931 R38.2@16.03,24.3 R38.2@16.13,24.3
CLK_IN: IC1.E1 J4.27 | length 21.6
  TOP w0.125: J4.27@53.626,24.246 54.987,24.246 v1(54.999,24.233)
  L2 w0.1: v1(54.999,24.233) 55.588,24.233 55.6,24.221 55.95,24.221 58.3,21.871 58.3,15.846 61.575,12.571 64.675,12.571 IC1.E1@66.215,14.111